# Altium PCB 10515.0462_全联供主板(2拼版)_V1.0.PcbDoc (part 14 of 18)
Units mm, origin at the board's own origin, x right, y up, seen from the top; angles counter-clockwise.
Board outline 282 x 198 mm, 2 copper layers (Top Layer, Bottom Layer); 716 components, 0 nets, 2364 pads, 1800 vias.
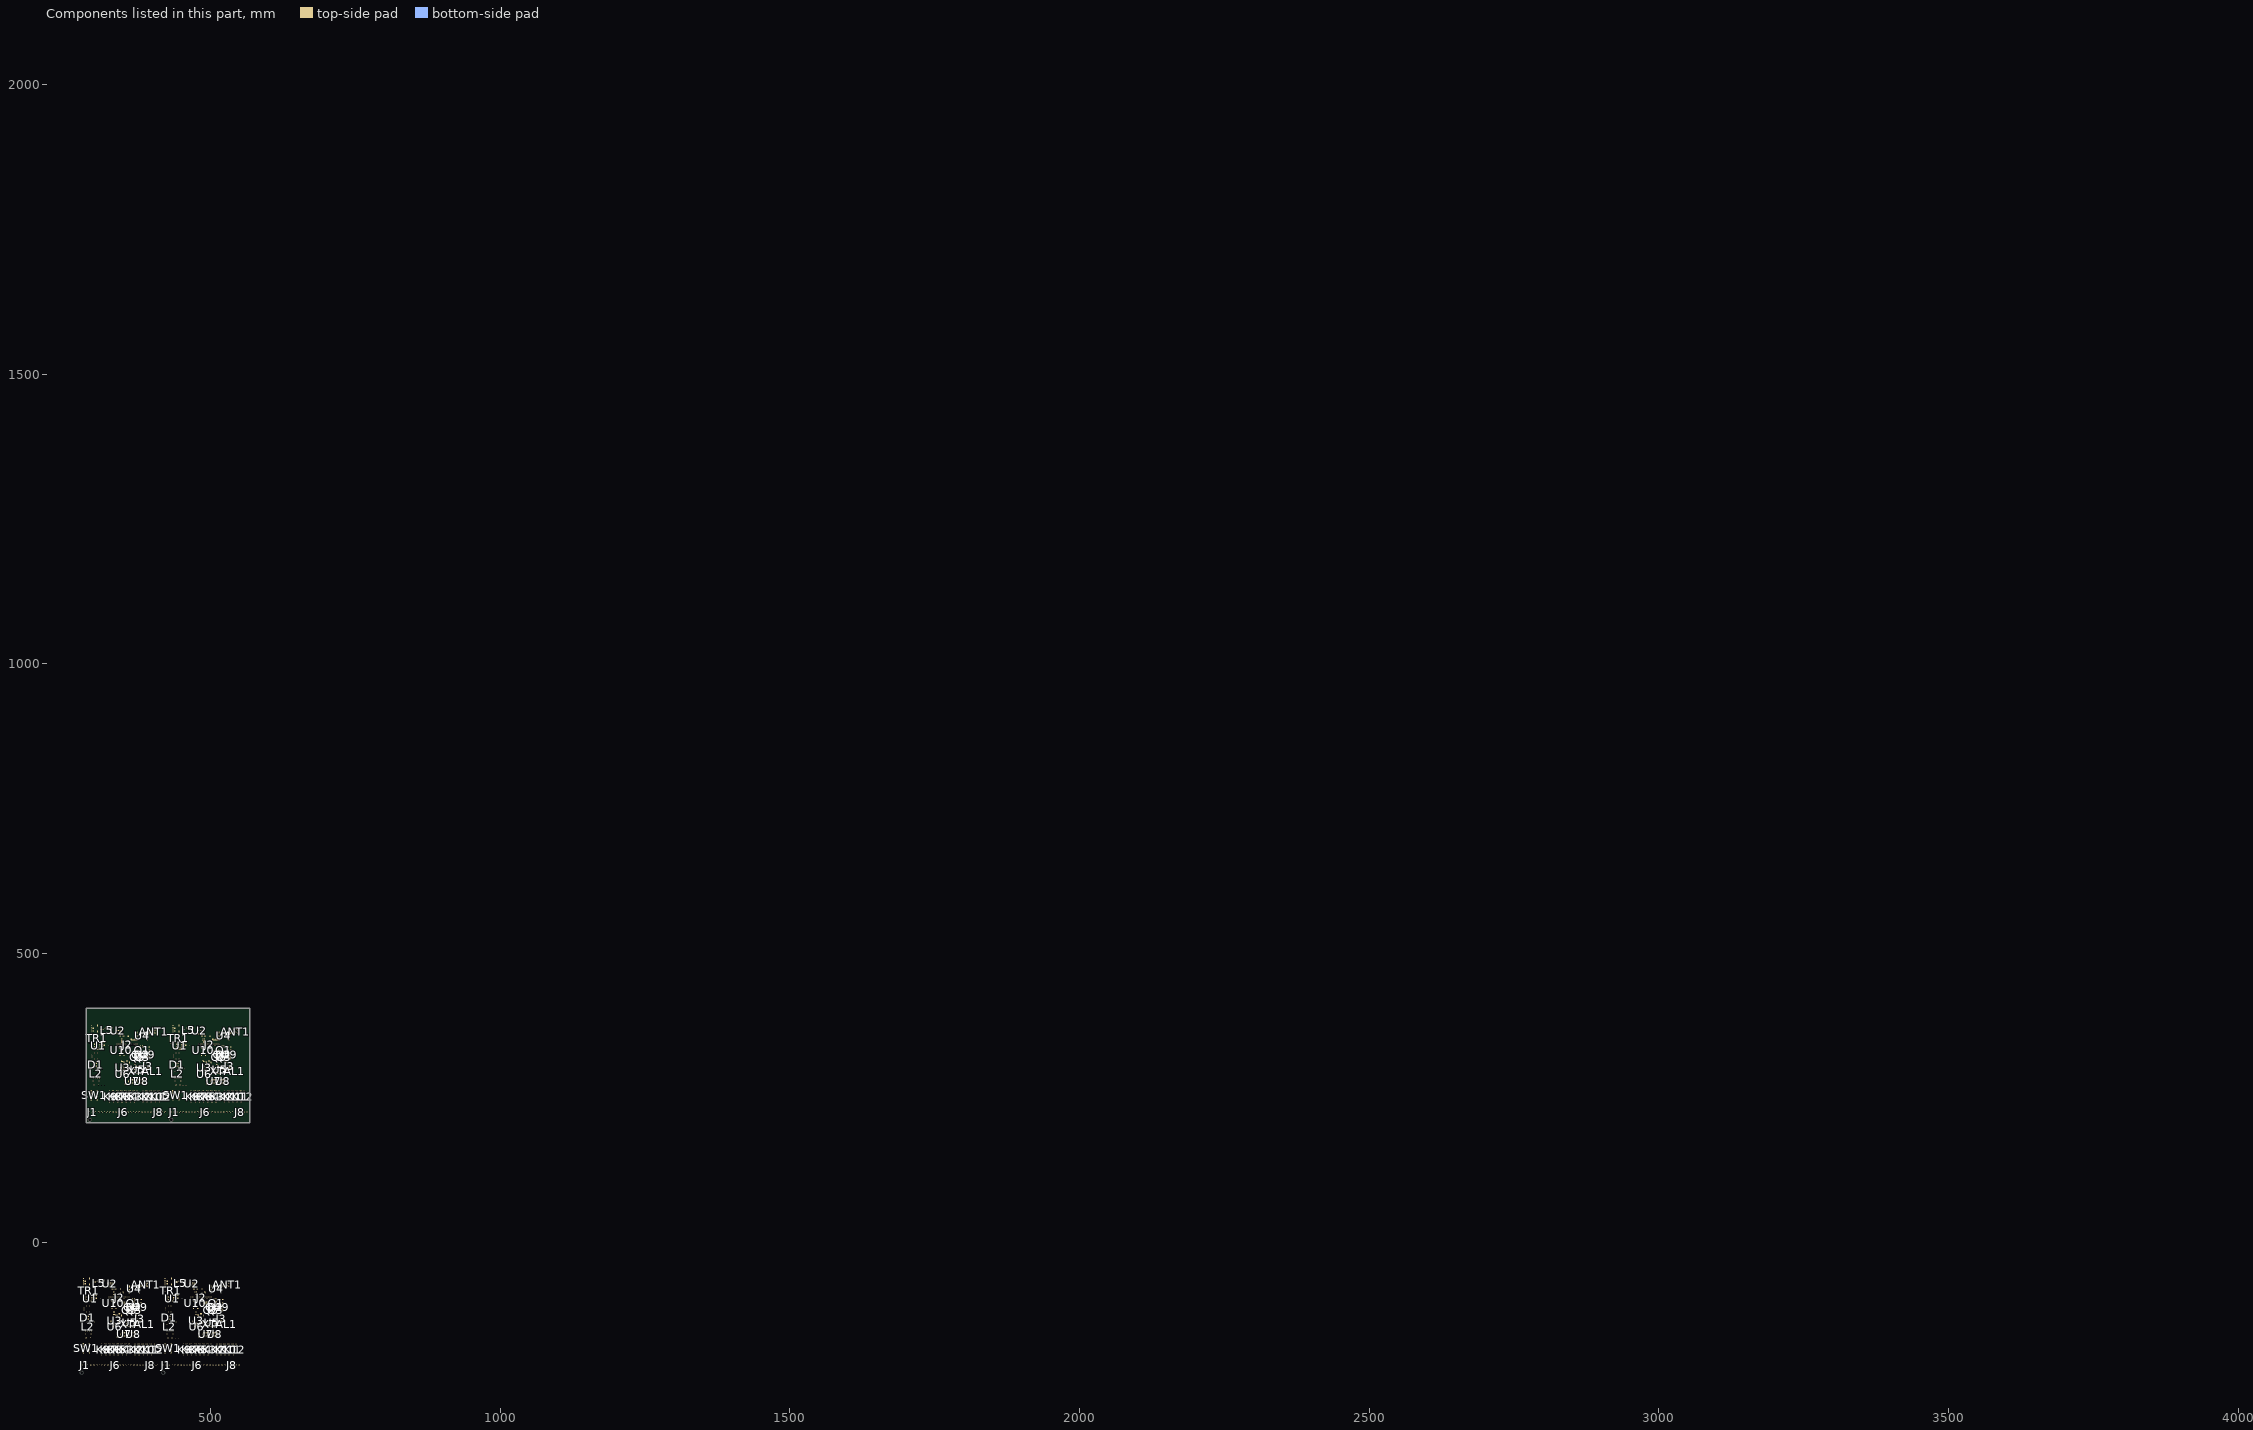
[diagram p14: the components of this part, seen from the top]

## Via types
v1: diameter 0.7, hole 0.4, Top Layer to Bottom Layer, tented both sides, 1800 vias

## Nets (pads, with @x,y where several pads share a name; then routed paths per layer and width w, separated by ;. In a path a pad name is that pad's centre, name@x,y a point inside that pad or via, vN(x,y) a via of type N, cw(c..) or ccw(c..) an arc to the next point about the centre after c; other vN are vias at no path point) (continued)
copper on no net: (continued)
  Top Layer w1.5: 440.573,-186.462 441.272,-185.763 ; 441.71,225.611 442.645,226.546 442.645,235.02 ; 442.391,371.661 444.03,371.661 445.439,373.069 ; 442.426,-218.858 443.961,-217.323 ; 442.426,-218.858 445.496,-218.858 ; 442.645,370.275 444.296,370.275 445.439,371.418 445.439,373.069 ; 442.645,370.275 445.439,373.069 ; 443.089,264.357 443.089,263.151 444.128,262.112 ; 443.089,264.357 443.089,267.088 ; 443.665,-189.256 444.764,-189.256 ; 443.875,-176.556 443.875,-173.299 ; 443.875,-176.556 444.002,-176.683 444.129,-176.683 446.288,-178.842 ; 443.875,-176.556 443.875,-174.778 ; 443.875,-176.556 448.066,-180.747 ; 443.875,-174.778 448.066,-178.969 ; 443.875,-174.778 443.875,-173.299 ; 443.875,-173.299 443.875,-164.491 ; 443.875,-164.491 444.88,-165.496 444.88,-174.016 ; 443.961,-217.323 445.496,-218.858 ; 444.128,260.42 445.566,258.982 445.566,258.515 445.693,258.642 445.693,262.96 ; 444.128,260.42 445.693,261.985 445.693,262.96 ; 444.128,260.42 444.128,267.573 ; 444.128,260.42 444.128,262.112 ; 444.128,262.112 445.058,263.042 445.058,266.643 ; 444.128,267.573 445.058,266.643 ; 444.88,-174.016 453.204,-182.34 ; 445.058,266.643 445.693,266.008 445.693,262.96 ; 445.121,-76.353 445.121,-78.361 446.034,-79.274 457.845,-79.274 459.623,-81.052 ; 445.121,-76.353 445.121,-73.489 445.971,-74.338 445.971,-76.48 ; 445.121,-76.353 445.121,-77.091 445.971,-77.94 ; 445.306,327.973 445.306,328.359 446.328,329.381 ; 445.496,-218.858 452.638,-218.858 ; 445.496,-218.858 446.247,-219.609 ; 445.802,-183.817 445.891,-183.817 447.453,-182.255 ; 445.971,-77.94 445.971,-76.48 ; 445.971,-76.48 445.971,-76.67 447.812,-78.512 458.734,-78.512 459.623,-79.401 459.623,-81.052 ; 446.247,-219.609 461.675,-219.609 ; 446.288,-178.842 447.453,-180.007 447.453,-182.255 ; 446.328,329.381 449.376,332.429 451.675,332.429 452.24,332.994 ; 446.98,272.029 447.921,271.088 451.408,271.088 452.348,272.029 ; 446.98,272.029 452.348,272.029 ; 447.59,219.145 449.749,216.986 ; 447.59,219.145 447.59,220.034 ; 447.59,220.034 447.59,225.611 447.59,225.995 447.09,225.495 447.09,218.256 448.36,216.986 449.749,216.986 ; 447.59,220.034 449.887,217.737 456.054,217.737 ; 448.066,-183.502 448.066,-180.62 ; 448.066,-183.502 450.761,-183.502 451.484,-182.779 449.325,-180.62 448.066,-180.62 ; 448.066,-180.747 448.066,-180.62 ; 448.066,-180.62 448.066,-178.969 ; 448.233,302.965 451.027,302.965 453.948,300.044 ; 448.233,302.965 449.376,302.965 452.297,300.044 453.948,300.044 ; 449.749,216.986 459.876,216.986 ; 452.638,-218.858 453.961,-217.536 ; 452.638,-218.858 455.496,-218.858 ; 453.781,-81.814 454.67,-81.814 ; 453.948,300.044 453.948,298.774 453.313,298.139 448.599,298.139 446.328,295.868 447.994,295.868 449.249,297.123 452.551,297.123 454.075,298.647 454.075,299.917 453.948,300.044 ; 453.961,-217.536 453.961,-217.323 ; 453.961,-217.323 455.496,-218.858 ; 454.202,250.133 454.9,250.832 ; 455.051,-186.252 459.856,-186.252 467.016,-186.252 474.175,-186.252 481.335,-186.252 488.495,-186.252 495.597,-186.252 495.724,-186.125 510.456,-186.125 517.568,-186.125 516.508,-185.065 ; 455.496,-218.858 462.426,-218.858 ; 456.054,217.737 457.59,219.272 ; 456.054,217.737 459.125,217.737 ; 457.294,247.339 458.393,247.339 ; 457.38,-156.871 457.38,-155.855 ; 457.504,260.039 457.504,263.296 ; 457.504,260.039 457.631,259.912 457.758,259.912 459.917,257.753 ; 457.504,260.039 457.504,261.817 ; 457.504,260.039 461.695,255.848 ; 457.504,261.817 461.695,257.626 ; 457.504,261.817 457.504,263.296 ; 457.504,263.296 457.504,272.104 ; 457.504,272.104 458.509,271.1 458.509,262.579 ; 457.59,219.272 459.125,217.737 ; 458.509,262.579 466.833,254.255 ; 458.75,360.242 458.75,358.234 459.663,357.321 471.474,357.321 473.252,355.543 ; 458.75,360.242 458.75,363.106 459.599,362.257 459.599,360.115 ; 458.75,360.242 458.75,359.504 459.599,358.655 ; 459.125,217.737 466.267,217.737 ; 459.125,217.737 459.876,216.986 ; 459.431,252.778 459.519,252.778 461.082,254.341 ; 459.599,358.655 459.599,360.115 ; 459.599,360.115 459.599,359.925 461.441,358.083 472.363,358.083 473.252,357.194 473.252,355.543 ; 459.876,216.986 475.304,216.986 ; 459.917,257.753 461.082,256.588 461.082,254.341 ; 461.675,-219.609 501.548,-219.609 ; 461.675,-219.609 462.426,-218.858 ; 461.695,253.093 461.695,255.975 ; 461.695,253.093 464.39,253.093 465.113,253.816 462.954,255.975 461.695,255.975 ; 461.695,255.848 461.695,255.975 ; 461.695,255.975 461.695,257.626 ; 462.426,-218.858 465.496,-218.858 ; 462.426,-218.858 463.961,-217.323 ; 463.433,-200.443 467.016,-196.861 467.016,-196.368 ; 463.961,-217.323 465.496,-218.858 ; 465.496,-218.858 472.426,-218.858 ; 466.267,217.737 467.59,219.06 ; 466.267,217.737 469.125,217.737 ; 467.41,354.781 468.299,354.781 ; 467.59,219.06 467.59,219.272 ; 467.59,219.272 469.125,217.737 ; 468.68,250.343 473.485,250.343 480.645,250.343 487.804,250.343 494.964,250.343 502.124,250.343 509.226,250.343 509.353,250.47 524.085,250.47 531.197,250.47 530.137,251.53 ; 469.125,217.737 476.054,217.737 ; 471.009,279.724 471.009,280.74 ; 472.426,-218.858 475.496,-218.858 ; 472.426,-218.858 473.961,-217.323 ; 473.961,-217.323 475.496,-218.858 ; 475.304,216.986 515.177,216.986 ; 475.304,216.986 476.054,217.737 ; 475.496,-218.858 482.356,-218.858 ; 476.054,217.737 479.125,217.737 ; 476.054,217.737 477.59,219.272 ; 477.062,236.152 480.645,239.735 480.645,240.227 ; 477.59,219.272 479.125,217.737 ; 479.125,217.737 486.054,217.737 ; 482.356,-218.858 485.623,-218.858 ; 482.356,-218.858 483.961,-217.254 ; 483.961,-217.254 483.961,-217.196 ; 483.961,-217.196 485.623,-218.858 ; 485.623,-218.858 492.426,-218.858 ; 486.054,217.737 489.125,217.737 ; 486.054,217.737 487.59,219.272 ; 487.59,219.272 489.125,217.737 ; 489.125,217.737 495.985,217.737 ; 492.426,-218.858 495.496,-218.858 ; 492.426,-218.858 493.961,-217.323 ; 493.961,-217.323 495.496,-218.858 ; 495.496,-218.858 502.299,-218.858 ; 495.985,217.737 499.252,217.737 ; 495.985,217.737 497.59,219.342 ; 497.59,219.342 497.59,219.399 ; 497.59,219.399 499.252,217.737 ; 499.252,217.737 506.054,217.737 ; 501.548,-219.609 506.105,-219.609 ; 501.548,-219.609 502.299,-218.858 ; 502.299,-218.858 505.355,-218.858 ; 502.299,-218.858 503.961,-217.196 ; 503.961,-217.465 503.961,-217.196 ; 503.961,-217.465 505.355,-218.858 ; 505.355,-218.858 512.235,-218.858 513.961,-217.132 ; 505.355,-218.858 506.105,-219.609 ; 506.054,217.737 509.125,217.737 ; 506.054,217.737 507.59,219.272 ; 506.105,-219.609 512.963,-219.609 513.961,-218.611 513.961,-217.132 ; 507.59,219.272 509.125,217.737 ; 509.125,217.737 515.927,217.737 ; 515.177,216.986 519.734,216.986 ; 515.177,216.986 515.927,217.737 ; 515.927,217.737 518.983,217.737 ; 515.927,217.737 517.59,219.399 ; 517.59,219.131 517.59,219.399 ; 517.59,219.131 518.983,217.737 ; 518.983,217.737 525.864,217.737 527.59,219.463 ; 518.983,217.737 519.734,216.986 ; 519.734,216.986 526.592,216.986 527.59,217.984 527.59,219.463 ; 302.338,-81.912 cw(c302.575,-82.149) 302.575,-81.814 ccw(c302.575,-82.149) 302.338,-81.912 ; 315.967,354.683 cw(c316.204,354.446) 316.204,354.781 ccw(c316.204,354.446) 315.967,354.683 ; 443.338,-81.912 cw(c443.575,-82.149) 443.575,-81.814 ccw(c443.575,-82.149) 443.338,-81.912 ; 456.967,354.683 cw(c457.204,354.446) 457.204,354.781 ccw(c457.204,354.446) 456.967,354.683
  Bottom Layer w0.2: v1@339.147,-110.212 ccw(c338.721,-109.785) 339.324,-109.785 ccw(c339.928,-109.785) v1@339.501,-110.212 ; v1@339.147,-108.661 cw(c338.721,-109.088) 339.324,-109.088 cw(c339.928,-109.088) v1@339.501,-108.661 ; v1(339.324,-110.389) v1(339.324,-108.484) ; v1@340.544,-110.212 ccw(c340.118,-109.785) 340.721,-109.785 ccw(c341.325,-109.785) v1@340.898,-110.212 ; v1@340.544,-107.899 cw(c340.118,-108.326) 340.721,-108.326 cw(c341.325,-108.326) v1@340.898,-107.899 ; v1(340.721,-110.389) v1(340.721,-107.722) ; v1@341.433,-107.391 cw(c341.007,-107.818) 341.61,-107.818 cw(c342.214,-107.818) v1@341.787,-107.391 ; 341.61,-109.962 ccw(c342.164,-109.962) v1@341.772,-110.354 ; 341.61,-109.479 ccw(c342.647,-109.479) v1@341.914,-110.212 ; v1(341.61,-107.214) 341.61,-110.262 v1(341.737,-110.389) ; v1(342.372,-107.722) 342.753,-108.103 ; v1(342.372,-91.593) 343.134,-90.831 351.605,-90.831 352.005,-90.431 352.005,-82.341 v1@352.786,-81.56 ; v1@342.372,-91.343 ccw(c342.372,-90.739) 342.799,-91.166 ccw(c343.226,-91.593) v1@342.622,-91.593 ; v1@342.393,-107.971 cw(c342.431,-108.425) 342.753,-108.103 ; v1@342.576,-111.609 ccw(c342.15,-111.182) 342.753,-111.182 ccw(c343.357,-111.182) v1@342.93,-111.609 ; v1@342.621,-107.743 ccw(c343.075,-107.781) 342.753,-108.103 ; v1(342.753,-111.786) 342.753,-108.103 ; v1@343.543,-91.872 ccw(c343.477,-91.72) 343.642,-91.72 ; v1(343.642,-92.101) 343.642,-91.72 ; v1@343.689,-92.085 cw(c344.184,-91.917) 343.815,-91.547 ; v1@343.742,-91.872 cw(c343.807,-91.72) 343.642,-91.72 ; v1@343.846,-111.609 ccw(c343.113,-110.876) 344.15,-110.876 ; v1@343.879,-92.021 cw(c344.524,-91.802) 344.042,-91.32 ; v1@343.973,-107.518 cw(c343.547,-107.945) 344.15,-107.945 cw(c344.754,-107.945) v1@344.327,-107.518 ; v1@343.988,-111.751 ccw(c343.596,-111.359) 344.15,-111.359 ; v1@344.15,-111.659 v1(344.15,-107.341) ; v1(345.547,-112.929) 345.928,-112.548 ; v1@345.568,-112.68 ccw(c345.606,-112.226) 345.928,-112.548 ; v1@345.751,-106.629 cw(c345.325,-107.056) 345.928,-107.056 cw(c346.532,-107.056) v1@346.105,-106.629 ; v1@345.796,-112.908 cw(c346.25,-112.87) 345.928,-112.548 ; v1(345.928,-106.452) 345.928,-112.548 ; v1(345.928,-92.101) 346.309,-91.72 ; v1@345.949,-91.852 ccw(c345.987,-91.398) 346.309,-91.72 ; v1@346.177,-92.08 cw(c346.631,-92.042) 346.309,-91.72 ; v1@352.409,-81.687 cw(c351.806,-81.687) 352.232,-82.114 cw(c352.659,-82.541) v1@352.659,-81.937 ; v1@352.776,326.383 ccw(c352.349,326.81) 352.953,326.81 ccw(c353.556,326.81) v1@353.13,326.383 ; v1@352.776,327.935 cw(c352.349,327.508) 352.953,327.508 cw(c353.556,327.508) v1@353.13,327.935 ; v1(352.953,326.206) v1(352.953,328.111) ; v1(353.294,-82.322) 353.04,-82.322 352.405,-82.957 352.405,-90.939 352.024,-91.32 344.042,-91.32 ; v1@353.929,-82.957 353.914,-82.972 353.152,-82.972 352.913,-83.211 352.913,-91.466 352.659,-91.72 346.309,-91.72 ; v1@354.173,326.383 ccw(c353.746,326.81) 354.35,326.81 ccw(c354.953,326.81) v1@354.527,326.383 ; v1@354.173,328.697 cw(c353.746,328.27) 354.35,328.27 cw(c354.953,328.27) v1@354.527,328.697 ; v1(354.35,326.206) v1(354.35,328.873) ; v1@355.062,329.205 cw(c354.635,328.778) 355.239,328.778 cw(c355.842,328.778) v1@355.416,329.205 ; 355.239,326.634 ccw(c355.793,326.634) v1@355.401,326.242 ; 355.239,327.117 ccw(c356.276,327.117) v1@355.543,326.383 ; v1(355.239,329.381) 355.239,326.333 v1(355.366,326.206) ; v1(356.001,328.873) 356.382,328.492 ; v1(356.001,345.002) 356.763,345.764 365.234,345.764 365.634,346.164 365.634,354.254 v1@366.415,355.035 ; v1@356.001,345.252 ccw(c356.001,345.856) 356.428,345.429 ccw(c356.854,345.002) v1@356.251,345.002 ; v1@356.022,328.624 cw(c356.06,328.17) 356.382,328.493 ; v1@356.205,324.986 ccw(c355.778,325.413) 356.382,325.413 ccw(c356.985,325.413) v1@356.559,324.986 ; v1@356.25,328.853 ccw(c356.704,328.815) 356.382,328.493 ; v1(356.382,324.809) 356.382,328.492 ; v1@357.171,344.724 ccw(c357.106,344.875) 357.271,344.875 ccw(c357.436,344.875) v1@357.37,344.724 ; v1(357.271,344.494) 357.271,344.875 357.671,345.275 ; v1@357.318,344.511 cw(c357.813,344.679) 357.444,345.048 ; v1@357.475,324.986 ccw(c356.742,325.72) 357.779,325.72 ; v1@357.508,344.575 cw(c358.152,344.794) 357.671,345.275 ; v1@357.602,329.078 cw(c357.175,328.651) 357.779,328.651 cw(c358.382,328.651) v1@357.956,329.078 ; v1@357.617,324.845 ccw(c357.225,325.237) 357.779,325.237 ; v1@357.779,324.936 v1(357.779,329.254) ; v1(359.176,323.666) 359.557,324.047 v1(359.557,330.143) ; v1@359.197,323.916 ccw(c359.235,324.37) 359.557,324.047 ccw(c359.879,323.725) v1@359.425,323.687 ; v1@359.38,329.967 cw(c358.953,329.54) 359.557,329.54 cw(c360.16,329.54) v1@359.734,329.967 ; v1(359.557,344.494) 359.938,344.875 366.288,344.875 366.542,345.129 366.542,353.384 366.781,353.623 367.543,353.623 v1@367.558,353.638 ; v1@359.578,344.744 ccw(c359.616,345.198) 359.938,344.875 ccw(c360.26,344.553) v1@359.806,344.515 ; v1(365.613,-133.122) 366.263,-132.472 375.28,-132.472 375.515,-132.237 ; v1@365.613,-132.872 ccw(c365.613,-132.268) 366.04,-132.695 ccw(c366.467,-133.122) v1@365.863,-133.122 ; v1@366.038,354.908 cw(c365.434,354.908) 365.861,354.482 cw(c366.288,354.055) v1@366.288,354.658 ; v1@366.806,-133.299 cw(c367.233,-133.726) 367.233,-133.122 cw(c367.233,-132.518) v1@366.806,-132.945 ; v1@366.913,-133.122 379.075,-133.122 379.515,-132.682 ; v1(366.923,354.273) 366.669,354.273 366.034,353.638 366.034,345.656 365.653,345.275 357.671,345.275 ; v1(374.884,-116.104) v1(377.24,-116.104) ; 375.011,-127.267 375.011,-127.218 375.457,-126.772 ; v1@375.061,-116.281 cw(c375.488,-116.708) 375.488,-116.104 cw(c375.488,-115.5) v1@375.061,-115.927 ; 375.225,-131.781 cw(c375.012,-132.237) 375.515,-132.237 ; v1@375.281,-119.964 cw(c374.854,-120.391) 375.457,-120.391 cw(c376.061,-120.391) v1@375.634,-119.964 ; 375.457,-126.961 375.457,-126.772 ; v1(375.457,-119.787) 375.457,-126.772 ; 375.515,-131.285 375.515,-132.237 ; 375.805,-131.781 ccw(c376.018,-132.237) 375.515,-132.237 ; 376.027,-127.267 375.952,-127.267 375.457,-126.772 ; v1(377.043,-119.787) 379.329,-119.787 v1(381.615,-119.787) ; v1@377.063,-116.281 ccw(c376.636,-116.708) 376.636,-116.104 ccw(c376.636,-115.5) v1@377.063,-115.927 ; v1@377.22,-119.964 cw(c377.647,-120.391) 377.647,-119.787 cw(c377.647,-119.183) v1@377.22,-119.61 ; 379.06,-131.674 cw(c378.17,-132.682) 379.515,-132.682 ; 379.192,-131.524 cw(c378.561,-132.239) 379.515,-132.239 cw(c380.469,-132.239) 379.838,-131.524 ; v1(379.242,303.473) 379.892,304.123 388.909,304.123 389.144,304.358 ; v1@379.242,303.723 ccw(c379.242,304.327) 379.669,303.9 ccw(c380.095,303.473) v1@379.492,303.473 ; 379.515,-131.285 379.515,-132.682 ; 379.97,-131.674 ccw(c380.86,-132.682) 379.515,-132.682 ; v1@380.435,303.297 cw(c380.861,302.87) 380.861,303.473 cw(c380.861,304.077) v1@380.435,303.65 ; v1@380.542,303.473 392.704,303.473 393.144,303.913 ; v1@381.438,-119.964 ccw(c381.012,-120.391) 381.012,-119.787 ccw(c381.012,-119.183) v1@381.438,-119.61 ; v1(388.513,320.491) v1(390.868,320.491) ; 388.64,309.328 388.64,309.377 389.086,309.823 ; v1@388.69,320.315 cw(c389.116,319.888) 389.116,320.491 cw(c389.116,321.095) v1@388.69,320.668 ; 388.853,304.814 cw(c388.641,304.358) 389.144,304.358 ; v1@388.909,316.632 cw(c388.483,316.205) 389.086,316.205 cw(c389.69,316.205) v1@389.263,316.632 ; 389.086,309.635 389.086,309.823 ; v1(389.086,316.808) 389.086,309.823 ; 389.144,305.31 389.144,304.358 ; 389.434,304.814 ccw(c389.646,304.358) 389.144,304.358 ; 389.656,309.328 389.581,309.328 389.086,309.823 ; v1(390.672,316.808) 392.958,316.808 v1(395.244,316.808) ; v1@390.692,320.315 ccw(c390.265,319.888) 390.265,320.491 ccw(c390.265,321.095) v1@390.692,320.668 ; v1@390.849,316.632 cw(c391.275,316.205) 391.275,316.808 cw(c391.275,317.412) v1@390.849,316.985 ; 392.689,304.922 cw(c391.799,303.913) 393.144,303.913 ; 392.821,305.072 cw(c392.19,304.357) 393.144,304.357 cw(c394.097,304.357) 393.466,305.072 ; 393.144,305.31 393.144,303.913 ; 393.599,304.922 ccw(c394.489,303.913) 393.144,303.913 ; v1@395.067,316.632 ccw(c394.64,316.205) 394.64,316.808 ccw(c394.64,317.412) v1@395.067,316.985 ; v1@480.147,-110.212 ccw(c479.721,-109.785) 480.324,-109.785 ccw(c480.928,-109.785) v1@480.501,-110.212 ; v1@480.147,-108.661 cw(c479.721,-109.088) 480.324,-109.088 cw(c480.928,-109.088) v1@480.501,-108.661 ; v1(480.324,-110.389) v1(480.324,-108.484) ; v1@481.544,-110.212 ccw(c481.118,-109.785) 481.721,-109.785 ccw(c482.325,-109.785) v1@481.898,-110.212 ; v1@481.544,-107.899 cw(c481.118,-108.326) 481.721,-108.326 cw(c482.325,-108.326) v1@481.898,-107.899 ; v1(481.721,-110.389) v1(481.721,-107.722) ; v1@482.433,-107.391 cw(c482.007,-107.818) 482.61,-107.818 cw(c483.214,-107.818) v1@482.787,-107.391 ; 482.61,-109.962 ccw(c483.164,-109.962) v1@482.772,-110.354 ; 482.61,-109.479 ccw(c483.647,-109.479) v1@482.914,-110.212 ; v1(482.61,-107.214) 482.61,-110.262 v1(482.737,-110.389) ; v1(483.372,-107.722) 483.753,-108.103 ; v1(483.372,-91.593) 484.134,-90.831 492.605,-90.831 493.005,-90.431 493.005,-82.341 v1@493.786,-81.56 ; v1@483.372,-91.343 ccw(c483.372,-90.739) 483.799,-91.166 ccw(c484.226,-91.593) v1@483.622,-91.593 ; v1@483.393,-107.971 cw(c483.431,-108.425) 483.753,-108.103 ; v1@483.576,-111.609 ccw(c483.15,-111.182) 483.753,-111.182 ccw(c484.357,-111.182) v1@483.93,-111.609 ; v1@483.621,-107.743 ccw(c484.075,-107.781) 483.753,-108.103 ; v1(483.753,-111.786) 483.753,-108.103 ; v1@484.543,-91.872 ccw(c484.477,-91.72) 484.642,-91.72 ; v1(484.642,-92.101) 484.642,-91.72 ; v1@484.689,-92.085 cw(c485.184,-91.917) 484.815,-91.547 ; v1@484.742,-91.872 cw(c484.807,-91.72) 484.642,-91.72 ; v1@484.846,-111.609 ccw(c484.113,-110.876) 485.15,-110.876 ; v1@484.879,-92.021 cw(c485.524,-91.802) 485.042,-91.32 ; v1@484.973,-107.518 cw(c484.547,-107.945) 485.15,-107.945 cw(c485.754,-107.945) v1@485.327,-107.518 ; v1@484.988,-111.751 ccw(c484.596,-111.359) 485.15,-111.359 ; v1@485.15,-111.659 v1(485.15,-107.341) ; v1(486.547,-112.929) 486.928,-112.548 ; v1@486.568,-112.68 ccw(c486.606,-112.226) 486.928,-112.548 ; v1@486.751,-106.629 cw(c486.325,-107.056) 486.928,-107.056 cw(c487.532,-107.056) v1@487.105,-106.629 ; v1@486.796,-112.908 cw(c487.25,-112.87) 486.928,-112.548 ; v1(486.928,-106.452) 486.928,-112.548 ; v1(486.928,-92.101) 487.309,-91.72 ; v1@486.949,-91.852 ccw(c486.987,-91.398) 487.309,-91.72 ; v1@487.177,-92.08 cw(c487.631,-92.042) 487.309,-91.72 ; v1@493.409,-81.687 cw(c492.806,-81.687) 493.232,-82.114 cw(c493.659,-82.541) v1@493.659,-81.937 ; v1@493.776,326.383 ccw(c493.349,326.81) 493.953,326.81 ccw(c494.556,326.81) v1@494.13,326.383 ; v1@493.776,327.935 cw(c493.349,327.508) 493.953,327.508 cw(c494.556,327.508) v1@494.13,327.935 ; v1(493.953,326.206) v1(493.953,328.111) ; v1(494.294,-82.322) 494.04,-82.322 493.405,-82.957 493.405,-90.939 493.024,-91.32 485.042,-91.32 ; v1@494.929,-82.957 494.914,-82.972 494.152,-82.972 493.913,-83.211 493.913,-91.466 493.659,-91.72 487.309,-91.72 ; v1@495.173,326.383 ccw(c494.746,326.81) 495.35,326.81 ccw(c495.953,326.81) v1@495.527,326.383 ; v1@495.173,328.697 cw(c494.746,328.27) 495.35,328.27 cw(c495.953,328.27) v1@495.527,328.697 ; v1(495.35,326.206) v1(495.35,328.873) ; v1@496.062,329.205 cw(c495.635,328.778) 496.239,328.778 cw(c496.842,328.778) v1@496.416,329.205 ; 496.239,326.634 ccw(c496.793,326.634) v1@496.401,326.242 ; 496.239,327.117 ccw(c497.276,327.117) v1@496.543,326.383 ; v1(496.239,329.381) 496.239,326.333 v1(496.366,326.206) ; v1(497.001,328.873) 497.382,328.492 ; v1(497.001,345.002) 497.763,345.764 506.234,345.764 506.634,346.164 506.634,354.254 v1@507.415,355.035 ; v1@497.001,345.252 ccw(c497.001,345.856) 497.428,345.429 ccw(c497.854,345.002) v1@497.251,345.002 ; v1@497.022,328.624 cw(c497.06,328.17) 497.382,328.493 ; v1@497.205,324.986 ccw(c496.778,325.413) 497.382,325.413 ccw(c497.985,325.413) v1@497.559,324.986 ; v1@497.25,328.853 ccw(c497.704,328.815) 497.382,328.493 ; v1(497.382,324.809) 497.382,328.492 ; v1@498.171,344.724 ccw(c498.106,344.875) 498.271,344.875 ccw(c498.436,344.875) v1@498.37,344.724 ; v1(498.271,344.494) 498.271,344.875 498.671,345.275 ; v1@498.318,344.511 cw(c498.813,344.679) 498.444,345.048 ; v1@498.475,324.986 ccw(c497.742,325.72) 498.779,325.72 ; v1@498.508,344.575 cw(c499.152,344.794) 498.671,345.275 ; v1@498.602,329.078 cw(c498.175,328.651) 498.779,328.651 cw(c499.382,328.651) v1@498.956,329.078 ; v1@498.617,324.845 ccw(c498.225,325.237) 498.779,325.237 ; v1@498.779,324.936 v1(498.779,329.254) ; v1(500.176,323.666) 500.557,324.047 v1(500.557,330.143) ; v1@500.197,323.916 ccw(c500.235,324.37) 500.557,324.047 ccw(c500.879,323.725) v1@500.425,323.687 ; v1@500.38,329.967 cw(c499.953,329.54) 500.557,329.54 cw(c501.16,329.54) v1@500.734,329.967 ; v1(500.557,344.494) 500.938,344.875 507.288,344.875 507.542,345.129 507.542,353.384 507.781,353.623 508.543,353.623 v1@508.558,353.638 ; v1@500.578,344.744 ccw(c500.616,345.198) 500.938,344.875 ccw(c501.26,344.553) v1@500.806,344.515 ; v1(506.613,-133.122) 507.263,-132.472 516.28,-132.472 516.515,-132.237 ; v1@506.613,-132.872 ccw(c506.613,-132.268) 507.04,-132.695 ccw(c507.467,-133.122) v1@506.863,-133.122 ; v1@507.038,354.908 cw(c506.434,354.908) 506.861,354.482 cw(c507.288,354.055) v1@507.288,354.658 ; v1@507.806,-133.299 cw(c508.233,-133.726) 508.233,-133.122 cw(c508.233,-132.518) v1@507.806,-132.945 ; v1@507.913,-133.122 520.075,-133.122 520.515,-132.682 ; v1(507.923,354.273) 507.669,354.273 507.034,353.638 507.034,345.656 506.653,345.275 498.671,345.275 ; v1(515.884,-116.104) v1(518.24,-116.104) ; 516.011,-127.267 516.011,-127.218 516.457,-126.772 ; v1@516.061,-116.281 cw(c516.488,-116.708) 516.488,-116.104 cw(c516.488,-115.5) v1@516.061,-115.927 ; 516.225,-131.781 cw(c516.012,-132.237) 516.515,-132.237 ; v1@516.281,-119.964 cw(c515.854,-120.391) 516.457,-120.391 cw(c517.061,-120.391) v1@516.634,-119.964 ; 516.457,-126.961 516.457,-126.772 ; v1(516.457,-119.787) 516.457,-126.772 ; 516.515,-131.285 516.515,-132.237 ; 516.805,-131.781 ccw(c517.018,-132.237) 516.515,-132.237 ; 517.027,-127.267 516.952,-127.267 516.457,-126.772 ; v1(518.043,-119.787) 520.329,-119.787 v1(522.615,-119.787) ; v1@518.063,-116.281 ccw(c517.636,-116.708) 517.636,-116.104 ccw(c517.636,-115.5) v1@518.063,-115.927 ; v1@518.22,-119.964 cw(c518.647,-120.391) 518.647,-119.787 cw(c518.647,-119.183) v1@518.22,-119.61 ; 520.06,-131.674 cw(c519.17,-132.682) 520.515,-132.682 ; 520.192,-131.524 cw(c519.561,-132.239) 520.515,-132.239 cw(c521.469,-132.239) 520.838,-131.524 ; v1(520.242,303.473) 520.892,304.123 529.909,304.123 530.144,304.358 ; v1@520.242,303.723 ccw(c520.242,304.327) 520.669,303.9 ccw(c521.095,303.473) v1@520.492,303.473 ; 520.515,-131.285 520.515,-132.682 ; 520.97,-131.674 ccw(c521.86,-132.682) 520.515,-132.682 ; v1@521.435,303.297 cw(c521.861,302.87) 521.861,303.473 cw(c521.861,304.077) v1@521.435,303.65 ; v1@521.542,303.473 533.704,303.473 534.144,303.913 ; v1@522.438,-119.964 ccw(c522.012,-120.391) 522.012,-119.787 ccw(c522.012,-119.183) v1@522.438,-119.61 ; v1(529.513,320.491) v1(531.868,320.491) ; 529.64,309.328 529.64,309.377 530.086,309.823 ; v1@529.69,320.315 cw(c530.116,319.888) 530.116,320.491 cw(c530.116,321.095) v1@529.69,320.668 ; 529.853,304.814 cw(c529.641,304.358) 530.144,304.358 ; v1@529.909,316.632 cw(c529.483,316.205) 530.086,316.205 cw(c530.69,316.205) v1@530.263,316.632 ; 530.086,309.635 530.086,309.823 ; v1(530.086,316.808) 530.086,309.823 ; 530.144,305.31 530.144,304.358 ; 530.434,304.814 ccw(c530.646,304.358) 530.144,304.358 ; 530.656,309.328 530.581,309.328 530.086,309.823 ; v1(531.672,316.808) 533.958,316.808 v1(536.244,316.808) ; v1@531.692,320.315 ccw(c531.265,319.888) 531.265,320.491 ccw(c531.265,321.095) v1@531.692,320.668 ; v1@531.849,316.632 cw(c532.275,316.205) 532.275,316.808 cw(c532.275,317.412) v1@531.849,316.985 ; 533.689,304.922 cw(c532.799,303.913) 534.144,303.913 ; 533.821,305.072 cw(c533.19,304.357) 534.144,304.357 cw(c535.097,304.357) 534.466,305.072 ; 534.144,305.31 534.144,303.913 ; 534.599,304.922 ccw(c535.489,303.913) 534.144,303.913 ; v1@536.067,316.632 ccw(c535.64,316.205) 535.64,316.808 ccw(c535.64,317.412) v1@536.067,316.985 ; 343.642,-91.72 344.042,-91.32 ; 484.642,-91.72 485.042,-91.32
  Bottom Layer w0.3: v1(329.545,-132.36) 347.833,-132.36 348.341,-131.852 v1(348.341,-129.439) ; v1@329.687,-132.501 cw(c330.028,-132.843) 330.028,-132.36 cw(c330.028,-131.877) v1@329.687,-132.219 ; v1(343.174,304.235) 361.462,304.235 361.97,304.743 v1(361.97,307.156) ; v1@343.315,304.094 cw(c343.657,303.753) 343.657,304.235 cw(c343.657,304.718) v1@343.315,304.377 ; v1@348.2,-129.58 cw(c347.858,-129.922) 348.341,-129.922 cw(c348.824,-129.922) v1@348.483,-129.58 ; v1@361.828,307.015 cw(c361.487,306.674) 361.97,306.674 cw(c362.453,306.674) v1@362.111,307.015 ; v1(470.545,-132.36) 488.833,-132.36 489.341,-131.852 v1(489.341,-129.439) ; v1@470.687,-132.501 cw(c471.028,-132.843) 471.028,-132.36 cw(c471.028,-131.877) v1@470.687,-132.219 ; v1(484.174,304.235) 502.462,304.235 502.97,304.743 v1(502.97,307.156) ; v1@484.315,304.094 cw(c484.657,303.753) 484.657,304.235 cw(c484.657,304.718) v1@484.315,304.377 ; v1@489.2,-129.58 cw(c488.858,-129.922) 489.341,-129.922 cw(c489.824,-129.922) v1@489.483,-129.58 ; v1@502.828,307.015 cw(c502.487,306.674) 502.97,306.674 cw(c503.453,306.674) v1@503.111,307.015
  Bottom Layer w0.45: v1(323.195,-70.892) 323.335,-71.032 326.31,-71.032 328.355,-68.987 v1(328.656,-68.987) ; v1@323.284,-70.804 ccw(c323.835,-70.252) 323.835,-71.032 ; v1(324.211,-67.717) 325.608,-67.717 325.989,-68.098 v1(325.989,-70.257) ; 327.929,-69.413 cw(c328.656,-70.14) v1@328.656,-69.112 ; v1@328.694,-69.008 v1(333.101,-69.008) ; v1@328.745,-68.899 ccw(c329.01,-68.634) 329.01,-69.008 ; v1(329.672,-136.193) 336.172,-136.193 336.694,-136.715 v1(336.694,-138.112) ; 333.491,-136.193 v1(333.491,-134.13) 333.491,-133.368 333.661,-133.197 v1(342.447,-133.197) ; v1@336.53,-140.234 347.833,-140.234 348.722,-141.123 350.528,-141.123 v1(350.895,-141.49) 348.708,-141.49 347.706,-140.488 v1(336.403,-140.488) 336.657,-140.234 ; v1(336.824,365.703) 336.964,365.563 339.939,365.563 341.984,367.608 v1(342.285,367.608) ; v1@336.912,365.792 ccw(c337.464,366.343) 337.464,365.563 ; v1(337.84,368.878) 339.237,368.878 339.618,368.497 v1(339.618,366.338) ; 341.558,367.182 cw(c342.285,366.455) v1@342.285,367.483 ; v1@342.323,367.587 v1(346.73,367.587) ; v1@342.373,367.697 ccw(c342.638,367.962) 342.638,367.587 ; v1(343.301,300.403) 349.801,300.403 350.323,299.881 v1(350.323,298.484) ; v1@345.928,-126.645 345.928,-126.899 346.309,-127.28 v1(352.278,-127.28) v1(355.072,-127.28) v1@363.547,-127.28 ; 346.944,-127.28 346.436,-126.772 v1(345.928,-126.772) 346.182,-127.026 362.819,-127.026 ; 347.119,300.403 v1(347.119,302.466) 347.119,303.228 347.29,303.399 v1(356.076,303.399) ; 349.707,-141.123 cw(c349.707,-142.678) v1@350.807,-141.578 ; v1@350.159,296.361 361.462,296.361 362.351,295.472 364.157,295.472 v1(364.524,295.105) 362.337,295.105 361.335,296.107 v1(350.032,296.107) 350.286,296.361 ; 351.897,-134.164 cw(c353.066,-134.164) v1@352.24,-133.337 ; 352.024,-128.155 352.15,-128.155 352.926,-128.931 ; 352.138,-143.001 352.138,-142.62 ; v1(352.151,-133.249) v1@352.138,-133.262 ; 352.926,-128.155 352.926,-128.931 ; 353.675,-142.406 353.415,-142.145 ; 353.675,-128.282 353.026,-128.931 352.926,-128.931 ; 355.162,-142.145 cw(c355.162,-142.949) v1@355.73,-142.381 ; 355.242,-142.406 ccw(c355.242,-141.716) v1@355.73,-142.204 ; v1@355.906,-142.381 cw(c356.474,-142.949) 356.474,-142.145 ; v1@355.906,-142.204 ccw(c356.394,-141.716) 356.394,-142.406 ; 358.441,-142.406 353.18,-142.406 352.926,-142.152 352.926,-141.377 ; 358.454,-142.393 365.486,-142.393 366.003,-142.909 366.003,-147.084 ; v1@359.557,309.95 359.557,309.696 359.938,309.315 v1(365.907,309.315) v1(368.701,309.315) v1@377.176,309.315 ; 360.573,309.315 360.065,309.823 v1(359.557,309.823) 359.811,309.569 376.448,309.569 ; v1(362.679,-122.073) v1@362.679,-117.813 ; v1@362.941,-151.002 cw(c363.796,-151.856) 363.796,-150.648 ; 363.336,295.472 cw(c363.336,293.918) v1@364.435,295.017 ; v1(363.581,-127.28) 363.327,-127.026 362.819,-127.026 ; v1@363.594,-127.267 380.218,-127.267 380.332,-127.267 ; 364.851,-148.568 cw(c366.454,-148.568) v1@365.321,-147.434 ; 364.851,-147.885 cw(c365.266,-147.885) v1@365.24,-147.471 ; v1(365.105,-144.425) 365.105,-143.536 364.71,-143.141 352.659,-143.141 ; v1(365.105,-139.091) 376.281,-139.091 v1(376.789,-139.599) ; v1@365.11,-147.647 ccw(c365.253,-147.294) 365.523,-147.564 ; v1@365.279,-147.23 ccw(c365.53,-146.611) 366.003,-147.084 ; 365.526,302.432 cw(c366.695,302.432) v1@365.868,303.258 ; 365.613,-148.108 366.248,-147.473 366.248,-142.647 365.747,-142.145 353.415,-142.145 ; 365.653,308.44 365.779,308.44 366.555,307.664 ; 365.767,293.594 365.767,293.975 ; v1(365.78,303.346) v1@365.767,303.333 ; 365.88,-142.787 365.88,-146.698 v1(365.232,-147.346) ; 366.555,308.44 366.555,307.664 ; 367.304,294.189 367.043,294.45 ; 367.304,308.313 366.655,307.664 366.555,307.664 ; 368.703,-127.267 ccw(c368.703,-126.576) v1@369.192,-127.065 ; 368.79,294.45 cw(c368.79,293.647) v1@369.358,294.215 ; 368.871,294.189 ccw(c368.871,294.879) v1@369.358,294.391 ; v1(369.28,-127.153) 381.107,-127.153 381.515,-127.561 ; v1@369.368,-127.065 ccw(c369.857,-126.576) 369.857,-127.267 ; v1@369.535,294.215 cw(c370.103,293.647) 370.103,294.45 ; v1@369.535,294.391 ccw(c370.023,294.879) 370.023,294.189 ; 372.07,294.189 366.809,294.189 366.555,294.443 366.555,295.218 ; 372.083,294.202 379.115,294.202 379.631,293.686 379.631,289.512 ; v1@375.354,-101.538 ccw(c375.873,-101.018) 375.873,-101.753 ; v1@375.392,-101.753 v1(380.091,-101.753) ; v1(376.308,314.522) v1@376.308,318.782 ; v1@376.57,285.594 cw(c377.424,284.74) 377.424,285.947 ; v1(377.21,309.315) 376.956,309.569 376.448,309.569 ; v1@377.223,309.328 393.847,309.328 393.961,309.328 ; 378.48,288.028 cw(c380.082,288.028) v1@378.949,289.161 ; 378.48,288.711 cw(c378.895,288.711) v1@378.869,289.125 ; v1(378.734,292.17) 378.734,293.059 378.339,293.454 366.288,293.454 ; v1(378.734,297.504) 389.91,297.504 v1(390.418,296.996) ; v1@378.739,288.948 ccw(c378.882,289.301) 379.151,289.032 ; v1(378.884,-110.635) v1@380.464,-110.635 ; v1@378.908,289.365 ccw(c379.159,289.984) 379.631,289.512 ; 379.242,288.487 379.877,289.122 379.877,293.948 379.375,294.45 367.043,294.45 ; 379.509,293.808 379.509,289.897 v1(378.861,289.249) ; 381.117,-130.761 ccw(c380.157,-129.801) 381.515,-129.801 ccw(c382.873,-129.801) 381.913,-130.761 cw(c383.551,-129.123) 381.234,-129.123 ; 381.234,-130.878 381.234,-128.169 380.332,-127.267 ; 381.234,-130.209 ccw(c382.464,-130.209) 381.594,-131.079 ; 381.515,-131.285 381.515,-131.158 381.515,-127.942 ; 382.332,309.328 ccw(c382.332,310.019) v1@382.82,309.531 ; v1(382.909,309.442) 394.736,309.442 395.144,309.035 ; v1@382.997,309.531 ccw(c383.486,310.019) 383.486,309.328 ; v1@388.982,335.058 ccw(c389.502,335.578) 389.502,334.842 ; v1@389.021,334.842 v1(393.72,334.842) ; v1(392.513,325.961) v1@394.092,325.961 ; 394.746,305.835 ccw(c393.786,306.795) 395.144,306.795 ccw(c396.502,306.795) 395.541,305.835 cw(c397.18,307.473) 394.863,307.473 ; 394.863,305.718 394.863,308.426 393.961,309.328 ; 394.863,306.387 ccw(c396.093,306.387) 395.223,305.517 ; 395.144,305.31 395.144,305.437 395.144,308.654 ; v1(464.195,-70.892) 464.335,-71.032 467.31,-71.032 469.355,-68.987 v1(469.656,-68.987) ; v1@464.284,-70.804 ccw(c464.835,-70.252) 464.835,-71.032 ; v1(465.211,-67.717) 466.608,-67.717 466.989,-68.098 v1(466.989,-70.257) ; 468.929,-69.413 cw(c469.656,-70.14) v1@469.656,-69.112 ; v1@469.694,-69.008 v1(474.101,-69.008) ; v1@469.745,-68.899 ccw(c470.01,-68.634) 470.01,-69.008 ; v1(470.672,-136.193) 477.172,-136.193 477.694,-136.715 v1(477.694,-138.112) ; 474.491,-136.193 v1(474.491,-134.13) 474.491,-133.368 474.661,-133.197 v1(483.447,-133.197) ; v1@477.53,-140.234 488.833,-140.234 489.722,-141.123 491.528,-141.123 v1(491.895,-141.49) 489.708,-141.49 488.706,-140.488 v1(477.403,-140.488) 477.657,-140.234 ; v1(477.824,365.703) 477.964,365.563 480.939,365.563 482.984,367.608 v1(483.285,367.608) ; v1@477.912,365.792 ccw(c478.464,366.343) 478.464,365.563 ; v1(478.84,368.878) 480.237,368.878 480.618,368.497 v1(480.618,366.338) ; 482.558,367.182 cw(c483.285,366.455) v1@483.285,367.483 ; v1@483.323,367.587 v1(487.73,367.587) ; v1@483.373,367.697 ccw(c483.638,367.962) 483.638,367.587 ; v1(484.301,300.403) 490.801,300.403 491.323,299.881 v1(491.323,298.484) ; v1@486.928,-126.645 486.928,-126.899 487.309,-127.28 v1(493.278,-127.28) v1(496.072,-127.28) v1@504.547,-127.28 ; 487.944,-127.28 487.436,-126.772 v1(486.928,-126.772) 487.182,-127.026 503.819,-127.026 ; 488.119,300.403 v1(488.119,302.466) 488.119,303.228 488.29,303.399 v1(497.076,303.399) ; 490.707,-141.123 cw(c490.707,-142.678) v1@491.807,-141.578 ; v1@491.159,296.361 502.462,296.361 503.351,295.472 505.157,295.472 v1(505.524,295.105) 503.337,295.105 502.335,296.107 v1(491.032,296.107) 491.286,296.361 ; 492.897,-134.164 cw(c494.066,-134.164) v1@493.24,-133.337 ; 493.024,-128.155 493.15,-128.155 493.926,-128.931 ; 493.138,-143.001 493.138,-142.62 ; v1(493.151,-133.249) v1@493.138,-133.262 ; 493.926,-128.155 493.926,-128.931 ; 494.675,-142.406 494.415,-142.145 ; 494.675,-128.282 494.026,-128.931 493.926,-128.931 ; 496.162,-142.145 cw(c496.162,-142.949) v1@496.73,-142.381 ; 496.242,-142.406 ccw(c496.242,-141.716) v1@496.73,-142.204 ; v1@496.906,-142.381 cw(c497.474,-142.949) 497.474,-142.145 ; v1@496.906,-142.204 ccw(c497.394,-141.716) 497.394,-142.406 ; 499.441,-142.406 494.18,-142.406 493.926,-142.152 493.926,-141.377 ; 499.454,-142.393 506.486,-142.393 507.003,-142.909 507.003,-147.084 ; v1@500.557,309.95 500.557,309.696 500.938,309.315 v1(506.907,309.315) v1(509.701,309.315) v1@518.176,309.315 ; 501.573,309.315 501.065,309.823 v1(500.557,309.823) 500.811,309.569 517.448,309.569 ; v1(503.679,-122.073) v1@503.679,-117.813 ; v1@503.941,-151.002 cw(c504.796,-151.856) 504.796,-150.648 ; 504.336,295.472 cw(c504.336,293.918) v1@505.435,295.017 ; v1(504.581,-127.28) 504.327,-127.026 503.819,-127.026 ; v1@504.594,-127.267 521.218,-127.267 521.332,-127.267 ; 505.851,-148.568 cw(c507.454,-148.568) v1@506.321,-147.434 ; 505.851,-147.885 cw(c506.266,-147.885) v1@506.24,-147.471 ; v1(506.105,-144.425) 506.105,-143.536 505.71,-143.141 493.659,-143.141 ; v1(506.105,-139.091) 517.281,-139.091 v1(517.789,-139.599) ; v1@506.11,-147.647 ccw(c506.253,-147.294) 506.523,-147.564 ; v1@506.279,-147.23 ccw(c506.53,-146.611) 507.003,-147.084 ; 506.526,302.432 cw(c507.695,302.432) v1@506.868,303.258 ; 506.613,-148.108 507.248,-147.473 507.248,-142.647 506.747,-142.145 494.415,-142.145 ; 506.653,308.44 506.779,308.44 507.555,307.664 ; 506.767,293.594 506.767,293.975 ; v1(506.78,303.346) v1@506.767,303.333 ; 506.88,-142.787 506.88,-146.698 v1(506.232,-147.346) ; 507.555,308.44 507.555,307.664 ; 508.304,294.189 508.043,294.45 ; 508.304,308.313 507.655,307.664 507.555,307.664 ; 509.703,-127.267 ccw(c509.703,-126.576) v1@510.192,-127.065 ; 509.79,294.45 cw(c509.79,293.647) v1@510.358,294.215 ; 509.871,294.189 ccw(c509.871,294.879) v1@510.358,294.391 ; v1(510.28,-127.153) 522.107,-127.153 522.515,-127.561 ; v1@510.368,-127.065 ccw(c510.857,-126.576) 510.857,-127.267 ; v1@510.535,294.215 cw(c511.103,293.647) 511.103,294.45 ; v1@510.535,294.391 ccw(c511.023,294.879) 511.023,294.189 ; 513.07,294.189 507.809,294.189 507.555,294.443 507.555,295.218 ; 513.083,294.202 520.115,294.202 520.631,293.686 520.631,289.512 ; v1@516.354,-101.538 ccw(c516.873,-101.018) 516.873,-101.753 ; v1@516.392,-101.753 v1(521.091,-101.753) ; v1(517.308,314.522) v1@517.308,318.782 ; v1@517.57,285.594 cw(c518.424,284.74) 518.424,285.947 ; v1(518.21,309.315) 517.956,309.569 517.448,309.569 ; v1@518.223,309.328 534.847,309.328 534.961,309.328 ; 519.48,288.028 cw(c521.082,288.028) v1@519.949,289.161 ; 519.48,288.711 cw(c519.895,288.711) v1@519.869,289.125 ; v1(519.734,292.17) 519.734,293.059 519.339,293.454 507.288,293.454 ; v1(519.734,297.504) 530.91,297.504 v1(531.418,296.996) ; v1@519.739,288.948 ccw(c519.882,289.301) 520.151,289.032 ; v1(519.884,-110.635) v1@521.464,-110.635 ; v1@519.908,289.365 ccw(c520.159,289.984) 520.631,289.512 ; 520.242,288.487 520.877,289.122 520.877,293.948 520.375,294.45 508.043,294.45 ; 520.509,293.808 520.509,289.897 v1(519.861,289.249) ; 522.117,-130.761 ccw(c521.157,-129.801) 522.515,-129.801 ccw(c523.873,-129.801) 522.913,-130.761 cw(c524.551,-129.123) 522.234,-129.123 ; 522.234,-130.878 522.234,-128.169 521.332,-127.267 ; 522.234,-130.209 ccw(c523.464,-130.209) 522.594,-131.079 ; 522.515,-131.285 522.515,-131.158 522.515,-127.942 ; 523.332,309.328 ccw(c523.332,310.019) v1@523.82,309.531 ; v1(523.909,309.442) 535.736,309.442 536.144,309.035 ; v1@523.997,309.531 ccw(c524.486,310.019) 524.486,309.328 ; v1@529.982,335.058 ccw(c530.502,335.578) 530.502,334.842 ; v1@530.021,334.842 v1(534.72,334.842) ; v1(533.513,325.961) v1@535.092,325.961 ; 535.746,305.835 ccw(c534.786,306.795) 536.144,306.795 ccw(c537.502,306.795) 536.541,305.835 cw(c538.18,307.473) 535.863,307.473 ; 535.863,305.718 535.863,308.426 534.961,309.328 ; 535.863,306.387 ccw(c537.093,306.387) 536.223,305.517 ; 536.144,305.31 536.144,305.437 536.144,308.654 ; 348.659,-142.837 347.337,-141.515 v1(336.773,-141.515) 337.015,-141.758 347.071,-141.758 348.454,-143.141 348.962,-143.141 ; 348.659,-142.837 348.962,-143.141 ; 348.659,-142.837 351.326,-142.837 351.897,-142.266 351.897,-133.503 v1@352.138,-133.262 ; 348.962,-143.141 349.23,-143.141 350.754,-143.141 351.516,-143.141 ; 351.516,-143.141 352.659,-143.141 ; 351.516,-143.141 352.138,-142.519 ; 352.138,-142.62 352.659,-143.141 ; 352.138,-142.62 352.138,-142.519 ; 352.138,-142.519 352.138,-142.393 v1@352.138,-133.262 ; 352.926,-141.377 352.926,-128.931 ; 352.926,-141.377 352.926,-141.657 353.415,-142.145 ; 362.287,293.758 360.965,295.08 v1(350.401,295.08) 350.644,294.837 360.7,294.837 362.083,293.454 362.591,293.454 ; 362.287,293.758 362.591,293.454 ; 362.287,293.758 364.954,293.758 365.526,294.329 365.526,303.092 v1@365.767,303.333 ; 362.591,293.454 362.859,293.454 364.383,293.454 365.145,293.454 ; 362.819,-127.026 362.832,-127.039 380.993,-127.039 381.515,-127.561 ; 364.713,-150.913 v1(362.853,-150.913) 363.118,-150.648 364.47,-150.648 364.851,-150.267 364.851,-147.727 v1(365.232,-147.346) ; 364.713,-150.913 365.232,-150.394 v1(365.232,-147.346) ; 364.713,-150.913 365.348,-150.913 365.613,-150.648 365.613,-147.854 366.003,-147.465 366.003,-147.084 ; 365.145,293.454 366.288,293.454 ; 365.145,293.454 365.767,294.076 ; v1(365.232,-147.346) 365.74,-147.346 366.003,-147.084 ; 365.767,293.975 366.288,293.454 ; 365.767,293.975 365.767,294.076 ; 365.767,294.076 365.767,294.202 v1@365.767,303.333 ; 366.555,295.218 366.555,307.664 ; 366.555,295.218 366.555,294.938 367.043,294.45 ; 376.448,309.569 376.461,309.556 394.622,309.556 395.144,309.035 ; 378.341,285.682 v1(376.482,285.682) 376.747,285.947 378.099,285.947 378.48,286.328 378.48,288.868 v1(378.861,289.249) ; 378.341,285.682 378.861,286.201 v1(378.861,289.249) ; 378.341,285.682 378.976,285.682 379.242,285.947 379.242,288.741 379.631,289.131 379.631,289.512 ; v1(378.861,289.249) 379.369,289.249 379.631,289.512 ; 380.332,-127.267 380.84,-127.267 381.515,-127.942 ; 381.515,-127.942 381.515,-127.561 ; 393.961,309.328 394.469,309.328 395.144,308.654 ; 395.144,308.654 395.144,309.035 ; 489.659,-142.837 488.337,-141.515 v1(477.773,-141.515) 478.015,-141.758 488.071,-141.758 489.454,-143.141 489.962,-143.141 ; 489.659,-142.837 489.962,-143.141 ; 489.659,-142.837 492.326,-142.837 492.897,-142.266 492.897,-133.503 v1@493.138,-133.262 ; 489.962,-143.141 490.23,-143.141 491.754,-143.141 492.516,-143.141 ; 492.516,-143.141 493.659,-143.141 ; 492.516,-143.141 493.138,-142.519 ; 493.138,-142.62 493.659,-143.141 ; 493.138,-142.62 493.138,-142.519 ; 493.138,-142.519 493.138,-142.393 v1@493.138,-133.262 ; 493.926,-141.377 493.926,-128.931 ; 493.926,-141.377 493.926,-141.657 494.415,-142.145 ; 503.287,293.758 501.965,295.08 v1(491.401,295.08) 491.644,294.837 501.7,294.837 503.083,293.454 503.591,293.454 ; 503.287,293.758 503.591,293.454 ; 503.287,293.758 505.954,293.758 506.526,294.329 506.526,303.092 v1@506.767,303.333 ; 503.591,293.454 503.859,293.454 505.383,293.454 506.145,293.454 ; 503.819,-127.026 503.832,-127.039 521.993,-127.039 522.515,-127.561 ; 505.713,-150.913 v1(503.853,-150.913) 504.118,-150.648 505.47,-150.648 505.851,-150.267 505.851,-147.727 v1(506.232,-147.346) ; 505.713,-150.913 506.232,-150.394 v1(506.232,-147.346) ; 505.713,-150.913 506.348,-150.913 506.613,-150.648 506.613,-147.854 507.003,-147.465 507.003,-147.084 ; 506.145,293.454 507.288,293.454 ; 506.145,293.454 506.767,294.076 ; v1(506.232,-147.346) 506.74,-147.346 507.003,-147.084 ; 506.767,293.975 507.288,293.454 ; 506.767,293.975 506.767,294.076 ; 506.767,294.076 506.767,294.202 v1@506.767,303.333 ; 507.555,295.218 507.555,307.664 ; 507.555,295.218 507.555,294.938 508.043,294.45 ; 517.448,309.569 517.461,309.556 535.622,309.556 536.144,309.035 ; 519.341,285.682 v1(517.482,285.682) 517.747,285.947 519.099,285.947 519.48,286.328 519.48,288.868 v1(519.861,289.249) ; 519.341,285.682 519.861,286.201 v1(519.861,289.249) ; 519.341,285.682 519.976,285.682 520.242,285.947 520.242,288.741 520.631,289.131 520.631,289.512 ; v1(519.861,289.249) 520.369,289.249 520.631,289.512 ; 521.332,-127.267 521.84,-127.267 522.515,-127.942 ; 522.515,-127.942 522.515,-127.561 ; 534.961,309.328 535.469,309.328 536.144,308.654 ; 536.144,308.654 536.144,309.035